# Altium PCB LaserControlBoard (extended).PcbDoc (part 2 of 4)
Units mm, origin at the board's own origin, x right, y up, seen from the top; angles counter-clockwise.
Board outline 192.5 x 156.5 mm, 2 copper layers (Top Layer, Bottom Layer); 385 components, 319 nets, 1286 pads, 1750 vias.
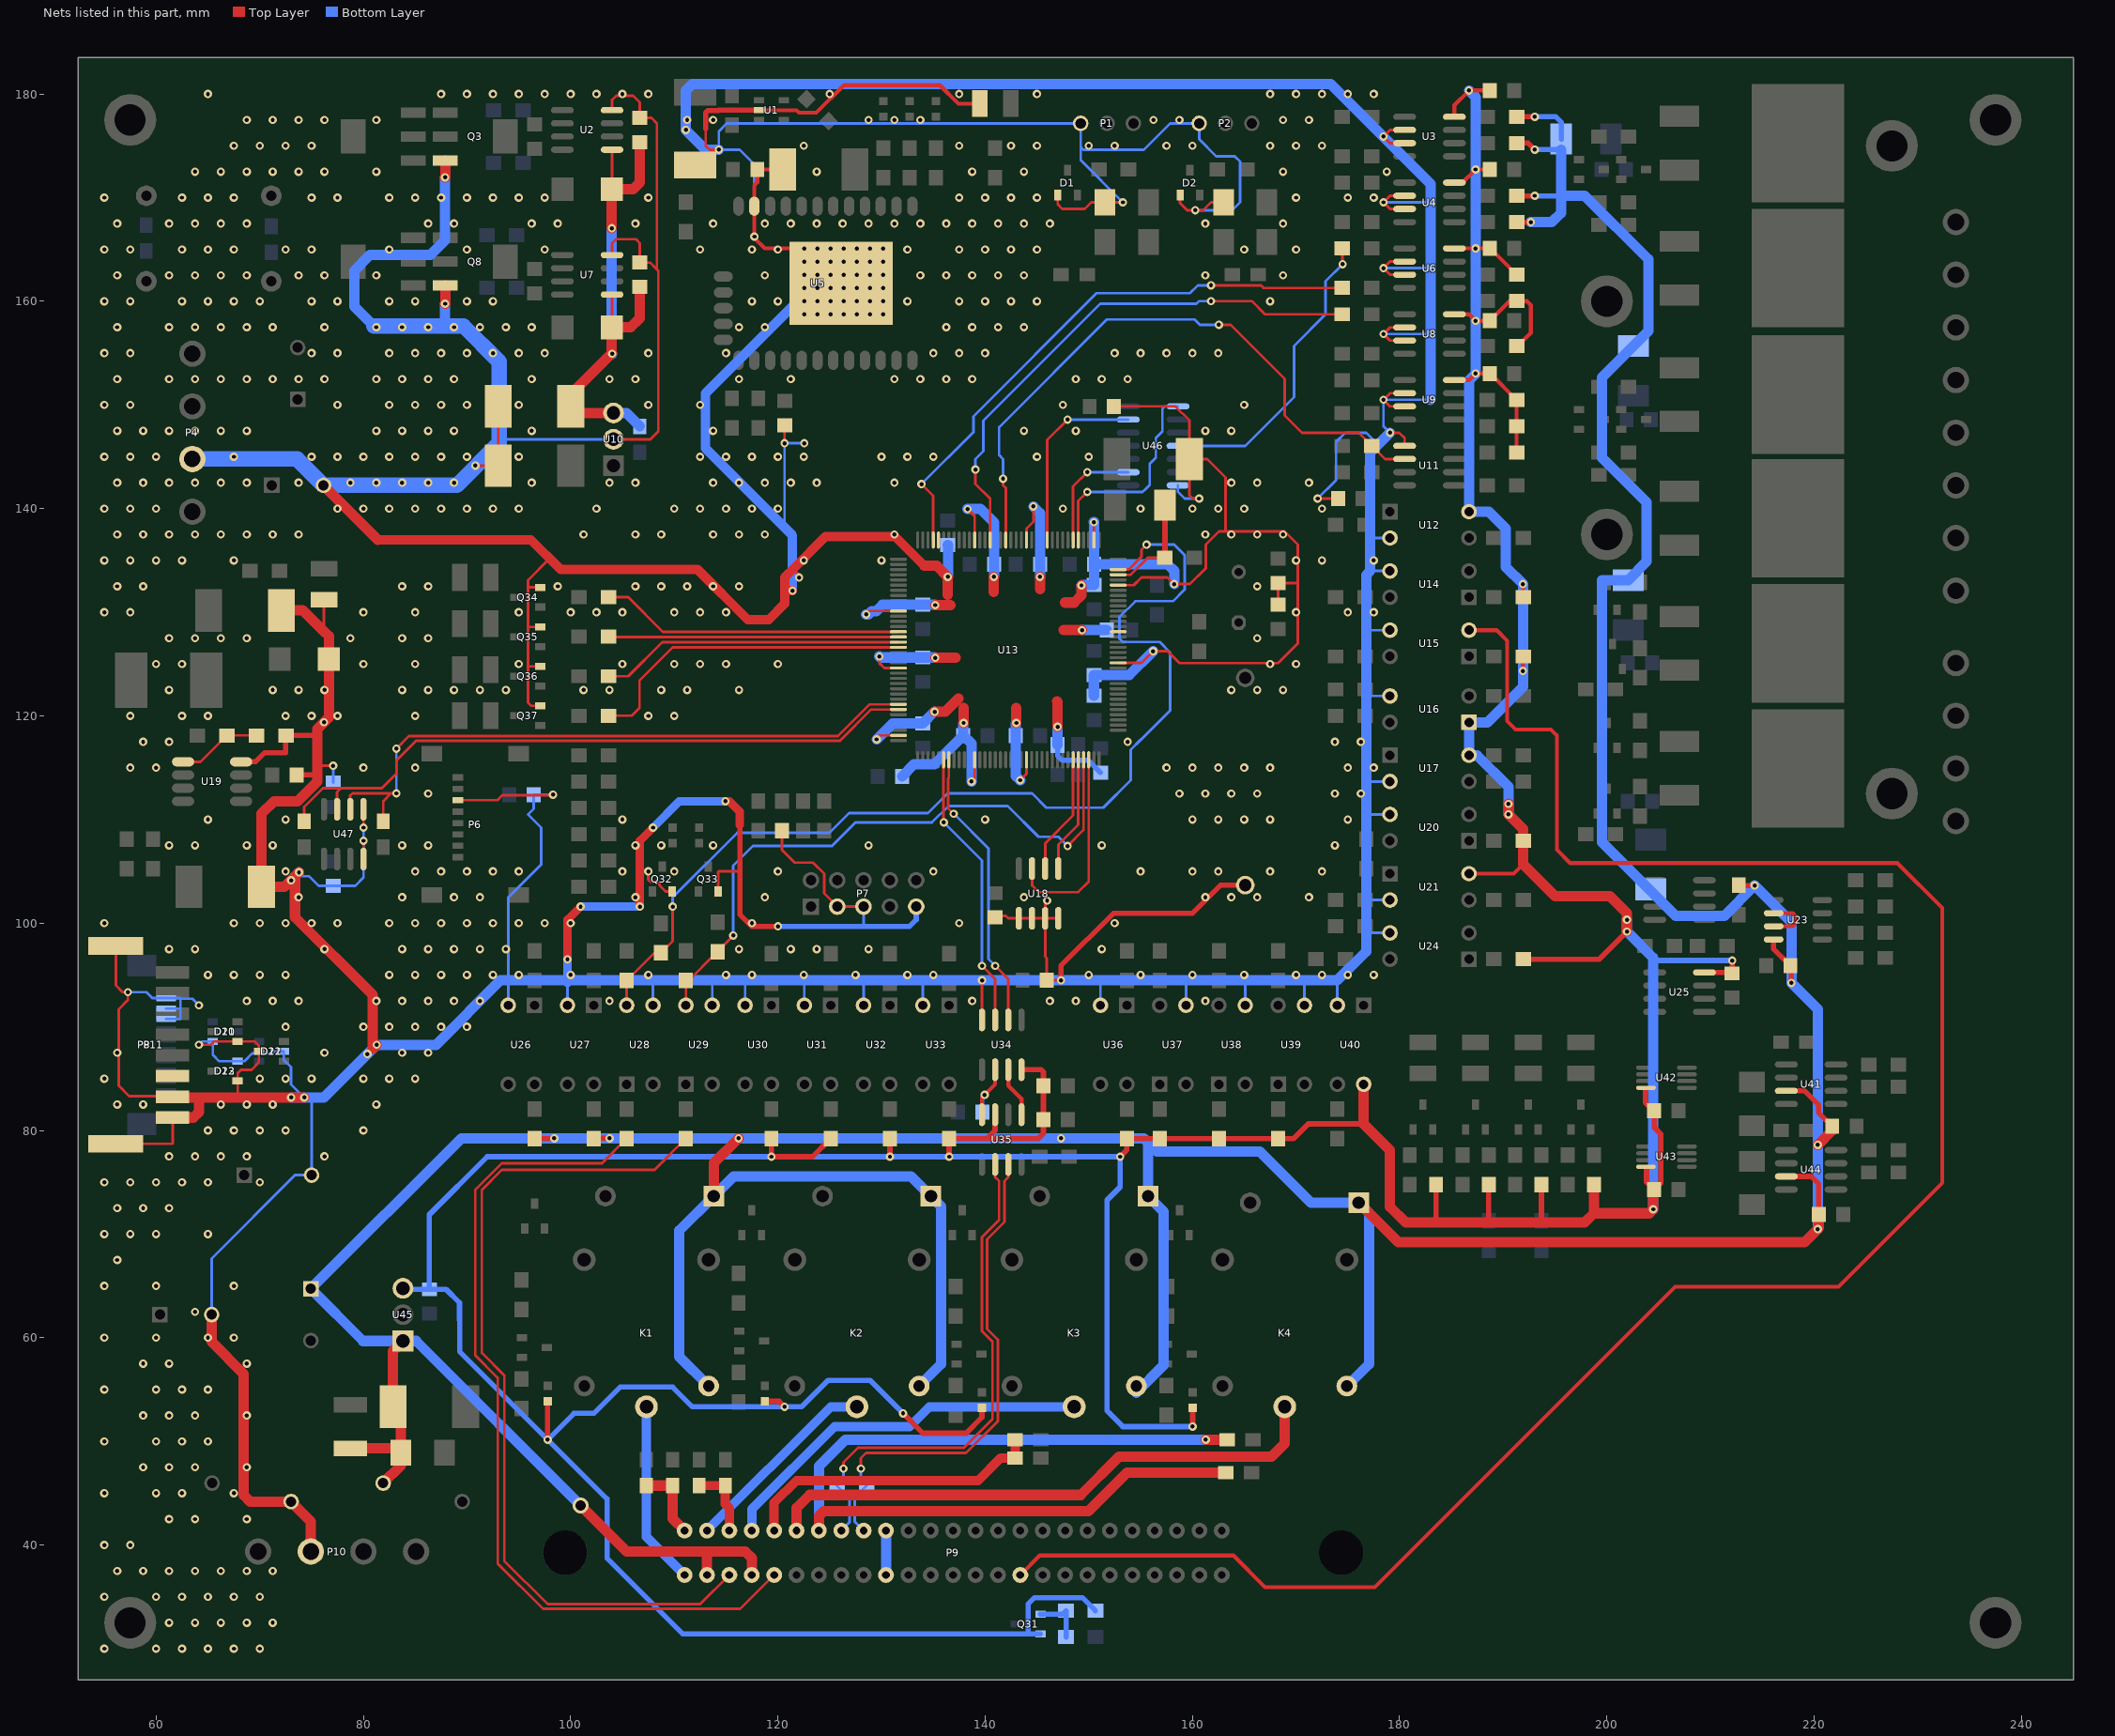
[diagram p2: the nets of this part, all layers, seen from the top]

## Via types
v1: diameter 0.8, hole 0.4, Top Layer to Bottom Layer, tented both sides, 1722 vias
v2: diameter 0.8, hole 0.4, Top Layer to Bottom Layer, 21 vias
v3: diameter 1.5, hole 1, Top Layer to Bottom Layer, 5 vias
v4: diameter 3, hole 2, Top Layer to Bottom Layer, 2 vias

## Nets (pads, with @x,y where several pads share a name; then routed paths per layer and width w, separated by ;. In a path a pad name is that pad's centre, name@x,y a point inside that pad or via, vN(x,y) a via of type N, cw(c..) or ccw(c..) an arc to the next point about the centre after c; other vN are vias at no path point) (continued)
12V: C32.1 C36.2 C38.2 C40.1 C41.1 D15.2 D16.2 D17.2 D18.2 D20.1 F2.1 K1.5 K2.5 K3.5 K4.5 L6.1 L7.2 L8.2 L9.2 P9.27 P9.29 R3.2 R5.2 R14.2 R17.2 R77.1 R106.2 R107.2 RU2.2 U23.8 U41.7 U44.7 U45.1 | length 528.4
  Top Layer w0.5: R106.2@96.519,79.22 98.397,79.22 v1(98.425,79.248) ; R107.2@102.235,79.22 102.263,79.248 v1(103.759,79.248) ; R17.2@191.29,167.64 v1(192.659,167.64) ; R14.2@191.29,170.18 v1(193.04,170.18) ; R5.2@191.29,175.26 192.405,175.26 v1(193.04,174.625) ; R3.2@191.29,177.8 v1(193.04,177.8) ; R77.1@212.725,103.66 212.753,103.632 v1(214.249,103.632) ; U23.8@216.09,98.425 216.09,97.505 C32.1@217.71,95.885 217.805,95.79 v1(217.805,94.234) ; U44.7@217.31,75.565 219.71,75.565 220.44,74.835 C38.2@220.44,72.39 ; U41.7@217.31,83.82 219.075,83.82 220.44,82.455 220.44,81.693 C36.2@221.742,80.391
  Top Layer w1: F2.1@78.74,49.335 83.185,49.335 D20.1@83.625,48.895 ; RU2.2@81.915,45.974 83.625,47.684 D20.1@83.625,48.895 ; U45.1@83.82,59.69 82.86,58.73 C41.1@82.86,53.34 83.625,52.575 D20.1@83.625,48.895 ; v3(100.965,43.815) 105.41,39.37 113.157,39.37 ; P9.27@113.158,37.112 113.158,39.369 113.157,39.37 ; D15.2@113.815,73.66 113.815,76.858 v1(116.205,79.248) ; P9.29@117.478,37.112 117.478,38.732 116.84,39.37 113.157,39.37 ; D18.2@176.045,73.025 179.855,69.215 219.075,69.215 v1(220.345,70.485) 220.44,70.58 C38.2@220.44,71.882 ; v1(220.345,78.613) 221.742,80.01 C36.2@221.742,80.391
  Top Layer w1.5: K4.5@174.91,55.34 K4.5@175.01,55.44
  Bottom Layer w0.5: v1(193.04,170.18) 195.58,170.18 ; v1(193.04,174.625) L6.1@195.58,174.625 ; v1(193.04,177.8) 195.072,177.8 195.588,177.284 L6.1@195.588,175.641
  Bottom Layer w1: v3(100.965,43.815) 85.09,59.69 U45.1@83.82,59.69 79.97,59.69 C40.1@74.93,64.73 89.448,79.248 v1(98.425,79.248) v1(103.759,79.248) v1@115.951,79.248 ; K1.5@113.315,55.34 110.49,58.165 110.49,70.335 D15.2@113.815,73.66 115.72,75.565 132.865,75.565 D16.2@134.77,73.66 135.763,72.667 135.763,57.468 K2.5@133.635,55.34 ; v1@115.974,79.225 v1@115.951,79.248 ; K3.5@154.59,54.705 157.226,57.341 157.226,72.159 D17.2@155.725,73.66 155.725,78.844 ; K4.5@174.91,55.34 177.038,57.468 177.038,72.032 D18.2@176.045,73.025 171.45,73.025 166.497,77.978 156.591,77.978 155.725,78.844 ; v1(192.659,167.64) 194.691,167.64 195.58,168.529 195.58,170.18 ; L6.1@195.58,174.625 195.58,170.18 ; v1(220.345,70.485) v1(220.345,78.613) 220.345,91.694 v1(217.805,94.234) 217.805,100.076 v1(214.249,103.632) 211.328,100.711 206.629,100.711 199.517,107.823 199.517,123.698 199.512,123.703 199.512,133.096 202.049,133.096 203.835,134.882 203.835,140.589 199.512,144.912 199.512,152.641 L7.2@202.565,155.694 204,157.129 204,164.046 197.866,170.18 195.58,170.18 ; v1@115.951,79.248 v1(116.205,79.248) v1(147.32,79.248) 155.321,79.248 155.725,78.844
15V: P9.10 P9.35 | length 4.3
  Bottom Layer w1: P9.35@130.438,37.112 P9.10@130.438,41.402
+12VDC: C3.2 C9.2 C15.1 D3.1 D8.1 J1.1 U2.1 U7.1 U10.3 | length 52.6
  Top Layer w0.254: D8.1@103.975,157.48 104,157.505 U7.1@104,160.655 ; D3.1@103.975,170.815 104,170.84 U2.1@104,174.625
  Top Layer w1: v1(103.975,167.043) D3.1@103.975,170.815 106.045,170.815 106.68,171.45 C3.2@106.68,175.355 ; U10.3@104.14,149.225 100.655,149.225 C15.1@100.02,149.86 100.02,151.023 103.975,154.978 D8.1@103.975,157.48 105.791,157.48 106.68,158.369 C9.2@106.68,161.385
  Bottom Layer w1: v1(103.975,167.043) 103.975,154.978 v1(104.013,154.94) ; U10.3@104.14,149.225 105.39,149.225 J1.1@106.68,147.935
ADC_PRESSURE: U13.22
AREL1: K1.1 P9.26 | length 17.8
  Bottom Layer w0.9: K1.1@107.315,53.34 107.315,40.795 P9.26@110.998,37.112
AREL2: J10.1 J11.1 P9.1 | length 7.4
  Top Layer w1: J10.1@107.315,45.74 J11.1@109.855,45.74 109.855,42.545 P9.1@110.998,41.402
AVCCMCU: L4.2 R40.2 U13.33 | length 10.3
  Top Layer w0.254: U13.33@152.84,133.615 154.062,133.615 155.702,135.255 R40.2@157.325,135.255
  Top Layer w0.524: R40.2@157.325,135.255 157.345,135.275 L4.2@157.345,140.335
BREL1: K2.1 P9.2 | length 19.4
  Top Layer w0.9: P9.2@113.158,41.402 P9.2@113.158,41.402
  Bottom Layer w0.9: P9.2@113.158,41.402 125.096,53.34 K2.1@127.635,53.34
BREL2: J12.1 J13.1 P9.3 | length 7
  Top Layer w0.9: J12.1@112.395,45.74 J13.1@114.935,45.74 114.935,43.942 115.318,43.559 P9.3@115.318,41.402
CAN1_RX: U13.114 U34.3 | length 27.2
  Top Layer w0.254: U13.114@135.99,115.765 135.979,115.754 135.979,109.766 v1(136.017,109.728) ; v1(139.7,95.885) 140.97,94.615 U34.3@140.97,90.665
  Bottom Layer w0.254: v1(136.017,109.728) 139.7,106.045 v1(139.7,95.885)
CAN1_TX: U13.115 U34.2 | length 27.5
  Top Layer w0.254: U13.115@136.49,115.765 136.49,114.023 136.433,113.966 136.433,111.09 v1(136.963,110.56) ; v1(140.97,95.885) 142.24,94.615 U34.2@142.24,90.665
  Bottom Layer w0.254: v1(136.963,110.56) 140.322,107.201 140.322,96.533 v1(140.97,95.885)
CAN_N: P9.8 R51.1 U35.6 | length 49.6
  Top Layer w0.254: v1(126.327,47.371) 126.327,47.968 127.747,49.388 137.951,49.388 140.716,52.153 140.716,59.607 139.678,60.644 139.678,69.701 141.351,71.374 141.351,75.113 140.97,75.494 U35.6@140.97,76.721
  Bottom Layer w0.254: P9.8@126.118,41.402 126.917,42.201 126.917,44.505 R51.1@125.702,45.72 126.327,46.345 v1(126.327,47.371)
CAN_P: P9.9 R51.2 U35.7 | length 48.8
  Top Layer w0.254: v1(128.016,47.371) 128.016,48.387 128.509,48.88 138.161,48.88 141.224,51.943 141.224,59.817 140.186,60.855 140.186,69.491 141.859,71.164 141.859,75.113 142.24,75.494 U35.7@142.24,76.721
  Bottom Layer w0.254: v1(128.016,47.371) 128.016,46.256 R51.2@128.552,45.72 127.425,44.593 127.425,42.255 P9.9@128.278,41.402
CAN_RX: C30.1 U34.6 U35.4 | length 6.6
  Top Layer w0.384: U35.4@139.7,81.521 139.7,83.185 v1(139.954,83.439) 140.97,84.455 U34.6@140.97,85.865
  Bottom Layer w0.384: C30.1@139.732,81.788 139.732,83.217 v1(139.954,83.439)
CAN_TX: U34.7 U35.1 | length 4.9
  Top Layer w0.384: U34.7@142.24,85.865 142.24,84.328 143.51,83.058 U35.1@143.51,81.521
CH_LASER_AIN: U23.6 U23.7 | length 5.2
  Top Layer w0.384: U23.7@216.09,99.695 217.932,99.695 218.186,99.949 218.186,100.711 217.932,100.965 U23.6@216.09,100.965
CH_NERR: P9.41 U15.2 | length 201.4
  Top Layer w0.384: P9.41@143.398,37.112 145.275,38.989 163.957,38.989 167.005,35.941 177.611,35.941 206.593,64.923 222.341,64.923 231.038,73.62 232.359,74.942 232.359,101.468 228.036,105.791 196.486,105.791 196.469,105.791 195.174,107.086 195.174,118.11 194.59,118.694 191.186,118.694 190.373,119.507 190.373,127.254 189.357,128.27 U15.2@186.69,128.27
CH_PULSE: Q31.1 R156.1 R157.2 | length 5.1
  Bottom Layer w0.5: Q31.1@145.345,33.335 147.48,33.335 R156.1@147.8,33.655 R157.2@147.8,31.115
COOL_PWM: U13.47 U46.13 | length 18.3
  Top Layer w0.254: U13.47@145.99,136.965 145.99,142.935 145.99,146.625 v1(147.955,148.59)
  Bottom Layer w0.254: v1(147.955,148.59) U46.13@153.81,148.59
CREL1: K3.1 P9.4 | length 37.2
  Bottom Layer w0.9: P9.4@117.478,41.402 117.478,43.437 125.476,51.435 132.715,51.435 134.62,53.34 K3.1@148.59,53.34
CREL2: J14.1 J15.1 P9.5 | length 29.5
  Top Layer w0.9: P9.5@119.638,41.402 119.638,44.073 121.793,46.228 139.319,46.228 141.478,48.387 J15.1@142.895,48.387 J14.1@142.895,50.165
DAC_CS: R23.2 U13.58 | length 52.4
  Top Layer w0.254: v1(139.065,143.764) 139.065,142.367 140.49,140.942 U13.58@140.49,136.965 ; v1(161.798,160.02) 165.735,160.02 167.005,158.75 R23.2@174.47,158.75
  Bottom Layer w0.254: v1(139.065,143.764) 139.065,144.78 139.827,145.542 139.827,148.499 151.094,159.766 160.401,159.766 160.655,160.02 v1(161.798,160.02)
DAC_MOSI: R19.2 U46.4 | length 29.4
  Top Layer w0.254: R19.2@174.47,165.1 174.47,163.604 v1(174.498,163.576)
  Bottom Layer w0.254: U46.4@158.61,146.05 165.1,146.05 169.799,150.749 169.799,155.702 172.847,158.75 172.847,161.925 v1(174.498,163.576)
DAC_SCK: R21.2 U13.69 | length 55.4
  Top Layer w0.254: v1(133.858,142.367) 134.99,141.235 U13.69@134.99,136.965 ; v1(161.798,161.544) 166.624,161.544 166.878,161.29 R21.2@174.47,161.29
  Bottom Layer w0.254: v1(133.858,142.367) 138.865,147.374 138.865,148.898 150.749,160.782 159.759,160.782 160.521,161.544 v1(161.798,161.544)
DREL1: K4.1 P9.6 | length 55.4
  Top Layer w1: P9.6@121.798,41.402 121.798,43.566 123.063,44.831 149.225,44.831 152.908,48.514 167.64,48.514 168.91,49.784 K4.1@168.91,53.34
DREL2: J16.1 J17.1 P9.7 | length 89.1
  Top Layer w1: P9.7@123.958,41.402 123.958,42.805 124.439,43.286 149.966,43.286 153.67,46.99 J17.1@163.215,46.99 ; v1(161.29,50.165) J16.1@163.342,50.165
  Bottom Layer w1: P9.7@123.958,41.402 123.958,47.631 126.492,50.165 v1(161.29,50.165)
DWIN_BUSY: P8.6
DWIN_RX: J5.1 U13.102 U47.7 | length 65.6
  Top Layer w0.254: J5.1@74.295,109.835 74.295,111.225 76.1,113.03 77.851,113.03 ; U47.7@77.47,110.985 77.47,112.649 77.851,113.03 ; U13.102@131.64,120.615 129.004,120.615 125.991,117.602 85.09,117.602 83.185,115.697 83.185,114.427 81.788,113.03 77.851,113.03
DWIN_TX: J4.1 U13.101 U47.6 | length 63.4
  Top Layer w0.254: U47.6@78.74,110.985 78.74,112.322 78.94,112.522 82.677,112.522 ; J4.1@81.915,109.835 81.915,111.76 82.677,112.522 ; v2(83.185,112.522) 82.677,112.522 ; v2(83.185,116.84) 84.401,118.056 125.803,118.056 128.862,121.115 U13.101@131.64,121.115
  Bottom Layer w0.254: v2(83.185,112.522) v2(83.185,116.84)
EEPROM_NWC: U13.142 U18.7 | length 19.5
  Top Layer w0.254: U18.7@144.526,105.27 144.526,103.632 145.161,102.997 148.971,102.997 149.99,104.016 U13.142@149.99,115.765
FAN_PWM1: U13.42 U46.9 | length 11.1
  Top Layer w0.254: U13.42@148.49,136.965 148.49,142.14 v1(149.86,143.51)
  Bottom Layer w0.254: v1(149.86,143.51) U46.9@153.81,143.51
FAN_PWM2: U13.41 U46.1 | length 20.7
  Top Layer w0.254: U13.41@148.99,136.965 148.99,140.735 v1(149.86,141.605)
  Bottom Layer w0.254: v1(149.86,141.605) 155.194,141.605 155.375,141.786 155.382,141.786 155.883,142.287 155.883,144.312 156.475,144.903 156.475,146.801 157.099,147.426 157.099,149.606 157.353,149.86 U46.1@158.61,149.86
FEEDBACK: R55.2 R56.1 U19.5 | length 8.1
  Top Layer w0.254: U19.5@62.605,115.57 64.29,115.57 R55.2@66.83,118.11 R56.1@69.695,118.11
FLOW1: R79.1 R89.1 U13.34 U28.4 | length 103
  Top Layer w0.254: U28.4@105.409,92.075 R89.1@105.409,94.46 108.076,97.127 R79.1@108.712,97.127 109.855,98.27 v1(109.855,101.6) ; U13.34@152.84,134.115 152.863,134.138 153.855,134.138 155.086,135.369 155.086,136.036 v1(155.575,136.525)
  Bottom Layer w0.254: v1(109.855,101.6) 109.855,102.489 116.078,108.712 124.968,108.712 126.87,110.614 134.483,110.614 136.391,112.522 144.526,112.522 145.904,111.144 151.396,111.144 154.051,113.799 154.051,114.514 154.048,114.517 154.048,116.736 155.025,117.713 155.051,117.713 157.861,120.523 157.861,126.111 156.845,127.127 153.289,127.127 152.971,127.444 152.971,129.54 154.495,131.064 158.115,131.064 159.258,132.207 159.258,135.509 158.242,136.525 v1(155.575,136.525)
FLOW2: R80.1 R90.1 U13.141 U29.4 | length 60.6
  Top Layer w0.254: U29.4@111.125,92.075 111.125,94.234 111.153,94.234 R80.1@114.173,97.254 115.697,98.778 v1(115.697,98.806) ; v1(147.955,107.442) 149.49,108.977 U13.141@149.49,115.765
  Bottom Layer w0.254: v1(115.697,98.806) 115.697,105.537 117.602,107.442 125.222,107.442 127.486,109.706 134.859,109.706 136.459,111.306 142.179,111.306 145.154,108.331 147.066,108.331 v1(147.955,107.442)
FLOW_SEN1: P9.30 R108.2 | length 83.5
  Top Layer w0.254: R108.2@105.409,79.22 103.024,76.835 93.359,76.835 90.805,74.281 90.805,58.284 92.964,56.125 92.964,38.218 97.346,33.836 116.362,33.836 P9.30@119.638,37.112
FLOW_SEN2: P9.28 R109.2 | length 83
  Top Layer w0.254: R109.2@111.125,79.22 108.105,76.2 93.366,76.2 91.44,74.274 91.44,58.547 93.599,56.388 93.599,38.481 97.79,34.29 112.496,34.29 P9.28@115.318,37.112
FOOTSW1: R32.1 U11.6 U13.55 | length 62.2
  Top Layer w0.254: v1(141.732,142.875) 141.732,142.244 141.99,141.986 U13.55@141.99,136.965 ; v1(162.56,157.734) 163.703,157.734 168.91,152.527 168.91,148.99 170.58,147.32 176.05,147.32 R32.1@177.32,146.05 178.59,144.78 U11.6@180.48,144.78
  Bottom Layer w0.254: v1(141.732,142.875) 141.732,144.78 141.351,145.161 141.351,147.868 151.725,158.242 160.22,158.242 160.728,157.734 v1(162.56,157.734)
FOOTSW2: U13.68
GND: "STM PWR 1.1" "WIFI PWR 1.1" C2.2 C3.1 C5.2 C6.1 C9.1 C12.1 C13.1 C15.2 C16.1 C17.1 C18.2 C19.2 C20.2 C21.1 C22.2 C23.1 C24.1 C25.1 C26.1 C27.2 C28.2 C34.2 C39.2 C44.1 C45.2 C46.2 C47.2 C48.2 C49.2 C50.2 C51.2 C52.1 C54.2 C55.2 C56.2 C57.2 C58.2 C59.1 C60.2 D1.1 D2.1 D4.2 D5.2 D9.1 D10.1 D11.3 D12.1 D21.1 D22.3 D23.1 P1.3 P2.3 P4.3 P6.3 P7.3 P7.5 P7.9 P8.7 P8.8 P8.9 P8.10 P10.2 P11.8 P11.9 P11.10 P12.1 Q3.3 Q8.3 Q32.2 Q33.2 Q34.2 Q35.2 Q36.2 Q37.2 R56.2 R64.1 R153.1 RU1.1 U1.2 U2.4 U3.2 U3.3 U4.2 U4.3 U5.23 U5.25 U6.2 U6.3 U7.4 U8.2 U8.3 U9.2 U9.3 U10.2 U11.5 U12.2 U13.16 U13.31 U13.38 U13.51 U13.61 U13.83 U13.94 U13.107 U13.120 U13.130 U14.3 U15.3 U16.3 U17.2 U18.1 U18.2 U18.3 U18.4 U19.4 U20.3 U21.2 U24.3 U26.2 U27.2 U28.3 U29.3 U30.2 U31.2 U32.2 U33.2 U34.4 U36.2 U37.3 U38.3 U39.3 U40.2 U46.7 U47.4 U47.5 | length 1424.5
  Top Layer w0.254: P8.10@56.115,78.715 61.57,78.715 61.595,78.74 P8.8@61.595,81.25 ; P8.9@56.115,97.815 56.115,93.999 56.769,93.345 v1(57.277,93.345) 57.277,92.582 56.388,91.693 56.388,84.333 57.409,83.312 61.533,83.312 P8.7@61.595,83.25 ; v1(64.135,88.265) 65.278,88.265 65.598,88.585 D10.1@67.875,88.585 69.53,88.585 69.92,88.195 D11.3@69.92,87.63 69.92,86.557 69.215,85.852 68.199,85.852 67.875,85.528 D12.1@67.875,84.775 67.875,83.242 67.818,83.185 ; v1(64.135,92.075) v1@64.377,92.075 ; R56.2@72.517,118.082 R56.2@72.545,118.11 ; 75.565,115.189 v1(77.089,115.189) ; 76.073,128.27 76.073,128.397 76.2,128.524 76.2,131.215 ; U47.4@80.01,106.185 v2(80.01,107.95) ; v2(80.01,109.22) U47.5@80.01,110.985 ; P6.3@89.126,111.862 92.932,111.862 93.411,112.341 98.371,112.341 98.317,112.395 v1(98.298,112.395) ; v1(90.805,144.145) C20.2@93.02,144.145 C15.2@93.02,149.86 ; Q37.2@97.085,120.965 96.205,120.965 95.885,121.285 95.885,124.841 ; Q36.2@97.085,124.775 95.951,124.775 95.885,124.841 ; Q35.2@97.085,128.585 95.946,128.585 95.885,128.524 ; Q34.2@97.085,132.395 95.951,132.395 95.885,132.461 ; 97.98,135.191 95.885,133.096 95.885,132.461 ; U7.4@104,164.465 104,165.595 104.394,165.989 106.299,165.989 106.68,165.608 C9.1@106.68,163.735 107.664,163.735 108.331,163.068 ; U2.4@104,178.435 104,179.438 104.394,179.832 106.045,179.832 106.68,179.197 C3.1@106.68,177.705 107.791,177.705 108.331,177.165 108.331,163.068 ; U10.2@104.14,146.685 107.696,146.685 108.458,147.447 108.458,162.941 108.331,163.068 ; 106.68,105.029 106.709,105 v1(107.5,105) 107.5,104.209 107.696,104.013 108.363,104.013 108.566,103.81 108.566,103.651 109.15,103.067 Q32.2@109.789,103.067 ; 113.03,176.66 113.03,175.006 113.411,174.625 v1(114.3,174.625) ; Q33.2@114.234,103.067 114.234,104.963 114.271,105 116.303,105 116.303,104.931 ; R64.1@120.396,108.43 120.396,107.061 121.612,105.845 123.383,105.845 124.46,104.768 124.46,102.87 P7.3@125.73,101.6 P7.5@128.27,101.6 ; v1(120.65,146.304) C16.1@120.65,148.05 ; 121.666,134.366 121.666,133.985 122.047,133.604 v1(122.047,133.35) ; v1(128.524,129.794) 128.845,130.115 U13.83@131.64,130.115 ; v1(129.54,117.729) 129.54,117.856 129.799,118.115 U13.107@131.64,118.115 ; v1(129.794,125.73) 129.794,125.095 130.274,124.615 U13.94@131.64,124.615 ; v1(138.303,139.954) 138.99,139.267 U13.61@138.99,136.965 U13.61@138.967,136.942 ; v1(138.684,113.665) 138.99,113.971 U13.120@138.99,115.765 ; U34.4@139.7,90.665 v1(139.7,94.488) ; C12.1@140.97,100.552 141.129,100.711 141.986,100.711 142.227,100.47 U18.1@143.256,100.47 U18.2@144.526,100.47 U18.3@145.796,100.47 ; v1(143.383,113.792) 143.99,114.399 U13.130@143.99,115.765 ; U13.51@143.99,136.965 143.99,138.065 144.668,138.743 144.668,140.193 v1(144.653,140.208) ; v1(145.987,102.171) 145.796,101.981 U18.3@145.796,100.47 ; D1.1@147.005,170.25 147.005,169.352 147.447,168.91 149.606,168.91 150.241,169.545 D4.2@151.57,169.545 v1(153.289,169.545) ; U18.4@147.066,100.47 U18.3@145.796,100.47 ; v1(147.32,94.488) C27.2@145.955,94.488 145.955,96.615 145.796,96.774 U18.3@145.796,100.47 ; U13.38@150.49,136.965 150.49,138.679 v1(150.495,138.684) ; C17.1@152.432,149.86 158.369,149.86 159.71,148.519 C19.2@159.71,144.78 ; U13.16@152.84,125.115 155.087,125.115 v1(156.21,126.238) 157.607,126.238 158.75,125.095 168.275,125.095 170.18,127 170.18,132.715 ; U13.31@152.84,132.615 154.346,132.615 155.096,133.365 157.592,133.365 v1(158.242,132.715) 159.766,132.715 161.29,134.239 161.29,136.525 162.56,137.795 163.195,137.795 ; D2.1@158.816,170.25 158.816,169.479 159.512,168.783 v1(160.274,168.783) 161.036,168.783 161.798,169.545 D5.2@163,169.545 ; v1(160.655,140.97) 160.02,140.97 159.71,141.28 C19.2@159.71,144.78 ; C24.1@168.275,130.715 C23.1@168.275,132.81 170.085,132.81 170.18,132.715 ; v1(172.085,140.97) C21.1@174.085,140.97 ; v1(179.07,147.32) 179.959,147.32 180.48,146.799 U11.5@180.48,146.05 ; U9.3@180.48,149.86 179.07,149.86 v1(178.435,150.495) 179.07,151.13 U9.2@180.48,151.13 ; U8.3@180.48,156.21 179.07,156.21 v1(178.435,156.845) 179.07,157.48 U8.2@180.48,157.48 ; U6.3@180.48,162.56 179.07,162.56 v1(178.435,163.195) 179.07,163.83 U6.2@180.48,163.83 ; U4.3@180.48,168.91 179.07,168.91 v1(178.435,169.545) 179.07,170.18 U4.2@180.48,170.18 ; U3.3@180.48,175.26 179.07,175.26 v1(178.435,175.895) 179.07,176.53 U3.2@180.48,176.53 ; 95.885,124.841 95.885,128.524 ; 95.885,128.524 95.885,132.461 ; C19.2@159.71,144.78 161.417,144.78 163.195,143.002 163.195,137.795 ; 163.195,137.795 168.91,137.795 170.18,136.525 170.18,132.715
  Top Layer w0.381: U1.2@118.18,178.435 121.798,178.435 122.047,178.186 123.703,178.186 126.365,180.848 135.636,180.848 137.414,179.07 139.47,179.07 ; C5.2@120.78,172.72 C6.1@118.015,172.72 118.015,171.482 117.729,171.196 U5.23@117.729,169.175 v1(117.729,166.243) 117.729,166.116 118.745,165.1 122.745,165.1 U5.25@126.105,161.74
  Top Layer w0.5: U19.4@68.205,115.57 69.596,115.57 70.485,116.459 72.517,116.459 R56.2@72.517,118.082 ; R56.2@72.545,118.11 75.565,118.11 ; C26.1@73.565,114.3 75.565,114.3 ; 113.03,176.66 113.03,178.181 113.256,178.407 114.25,178.407 114.278,178.435 U1.2@118.18,178.435 ; 116.332,109.474 116.332,100.838 117.475,99.695 v1(120.015,99.695) ; v1(147.32,94.488) 147.32,95.885 152.4,100.965 160.02,100.965 162.72,103.665 P12.1@165.1,103.665
  Top Layer w0.8: v1(99.695,96.52) 99.695,100.33 v1(100.965,101.6) ; v1(106.68,101.6) 106.68,105.029 106.68,107.95 v1(107.95,109.22) ; v1(114.935,111.76) 115.316,111.76 116.332,110.744 116.332,109.474
  Top Layer w0.9: 81.407,136.993 96.179,136.993 99.06,134.112 112.268,134.112 117.094,129.286 119.126,129.286 120.65,130.81 120.65,132.08 ; v1(121.412,132.08) 120.65,132.08 ; 134.112,134.493 131.318,137.287 124.587,137.287 121.666,134.366 120.65,133.35 120.65,132.08
  Top Layer w1: P8.8@61.595,81.25 63.597,81.25 64.135,81.788 64.135,83.185 ; P8.7@61.595,83.25 61.66,83.185 64.135,83.185 ; C39.2@65.365,62.23 65.365,59.603 68.453,56.515 68.453,44.831 69.088,44.196 RU1.1@73.025,44.196 74.93,42.291 P10.2@74.93,39.37 ; C22.2@72.08,130.175 74.168,130.175 76.073,128.27 76.67,127.673 76.67,119.85 v1(76.2,119.38) 75.565,118.745 75.565,118.11 75.565,115.189 75.565,114.3 75.565,113.665 73.66,111.76 71.374,111.76 70.175,110.561 C28.2@70.175,103.505 72.39,103.505 v1(73.025,104.14) v1(73.787,104.902) ; 73.406,104.521 73.406,100.584 80.899,93.091 80.899,87.884 v1(81.28,88.265) ; v1(74.295,83.185) v1(73.025,83.185) 67.818,83.185 64.135,83.185 ; C18.2@76.16,142.24 81.407,136.993 ; v1(87.884,159.766) 87.905,159.787 Q8.3@87.905,161.53 ; v1(87.884,171.958) 87.905,171.979 Q3.3@87.905,173.595 ; 134.112,134.493 135.32,134.493 v1(136.398,133.415) 136.398,131.699 ; v1(135.128,120.396) 136.144,120.396 137.414,121.666 ; v1(135.19,125.603) 137.16,125.603 ; v1(135.19,130.683) 136.652,130.683 ; v1(137.922,119.315) 137.922,120.777 ; 140.843,131.953 v1(140.843,133.415) ; v1(143.002,119.315) 143.002,120.777 ; 145.288,132.207 v1(145.288,133.415) ; 146.939,121.412 146.99,121.361 v1(146.99,118.948) ; 147.574,128.27 v1(149.352,128.27) ; 147.701,130.937 148.59,130.937 149.29,131.637 v1(149.29,132.588)
  Bottom Layer w0.254: v1(57.277,93.345) 59.055,93.345 59.635,92.765 P11.10@60.96,92.765 62.302,92.765 62.357,92.71 ; P11.8@60.96,90.765 62.317,90.765 62.357,90.805 62.357,91.765 ; P11.9@60.96,91.765 62.357,91.765 ; v1(64.135,88.265) 64.455,88.585 D21.1@65.475,88.585 65.475,87.306 66.106,86.675 D23.1@67.875,86.675 68.514,86.675 69.269,87.43 71.174,87.43 71.374,87.63 D22.3@72.32,87.63 72.32,86.811 73.025,86.106 73.025,84.455 v1(74.295,83.185) ; v1(64.135,92.075) 63.5,92.71 62.357,92.71 ; C39.2@65.365,62.23 65.365,67.651 73.406,75.692 C34.2@75.005,75.692 75.005,83.11 74.93,83.185 ; 73.406,104.521 74.771,104.521 75.692,103.6 C25.1@77.089,103.6 79.216,103.6 80.01,104.394 v2(80.01,107.95) v2(80.01,109.22) ; C13.1@77.089,113.57 v1(77.089,115.189) ; 93.091,146.304 93.472,146.685 U10.2@104.14,146.685 ; U26.2@93.979,92.075 93.979,94.487 93.979,102.488 97.155,105.664 97.155,109.22 95.885,110.49 96.425,111.03 C60.2@96.425,112.395 v1(98.298,112.395) ; U27.2@99.695,92.075 99.695,94.234 ; U28.3@107.949,92.075 107.949,94.487 ; U29.3@113.665,92.075 113.665,94.488 ; U30.2@116.839,92.075 116.839,94.487 ; v1(117.729,166.243) 117.729,173.228 116.332,174.625 v1(114.3,174.625) 114.3,176.403 115.062,177.165 P1.3@149.225,177.165 149.225,174.879 ; 120.65,138.303 v1(120.65,146.304) v1(122.555,146.304) ; U31.2@122.554,92.075 122.554,94.487 ; U32.2@128.269,92.075 128.27,94.488 ; P7.5@128.27,101.6 128.27,99.822 128.397,99.695 ; U33.2@133.984,92.075 133.984,94.487 ; U36.2@151.13,92.075 151.13,94.361 151.257,94.488 ; v1(153.289,169.545) 149.225,173.609 149.225,174.879 ; U46.7@158.61,142.24 158.61,141.618 159.258,140.97 v1(160.655,140.97) ; U37.3@159.385,92.075 159.385,94.488 ; v1(160.274,168.783) 163.83,168.783 164.592,169.545 164.592,173.482 164.084,173.99 162.306,173.99 160.655,175.641 P2.3@160.655,177.165 157.861,177.165 155.321,174.625 149.479,174.625 149.225,174.879 ; U38.3@165.1,92.075 165.1,94.488 ; U39.3@170.815,92.075 170.815,94.361 170.942,94.488 ; v1(172.085,140.97) 173.863,142.748 173.863,146.431 174.752,147.32 176.784,147.32 177.927,146.177 ; U40.2@173.99,92.075 173.99,94.488 ; 176.784,99.06 U24.3@179.07,99.06 ; 176.784,102.235 U21.2@179.07,102.235 ; 176.784,110.49 U20.3@179.07,110.49 ; 176.784,113.665 U17.2@179.07,113.665 ; 176.784,122.047 176.911,121.92 U16.3@179.07,121.92 ; 176.784,128.27 U15.3@179.07,128.27 ; 177.165,133.985 U14.3@179.07,133.985 ; 177.165,137.16 U12.2@179.07,137.16 ; v1(178.435,156.845) 183.007,156.845 ; v1(178.435,163.195) 183.007,163.195 ; v1(178.435,169.545) 183.007,169.545 ; v1(179.07,147.32) 178.435,147.955 v1(178.435,150.495) 183.007,150.495 ; 62.357,91.765 62.357,92.71
  Bottom Layer w0.5: v1(120.015,99.695) 128.397,99.695 132.715,99.695 133.35,100.33 P7.9@133.35,101.6 ; R153.1@146.99,117.19 146.99,116.154 147.447,115.697 149.955,115.697 C58.2@151.13,114.522
  Bottom Layer w0.8: 99.695,94.234 99.695,94.488 v1(99.695,96.52) ; v1(100.965,101.6) v1(106.68,101.6) ; v1(107.95,109.22) 110.49,111.76 v1(114.935,111.76)
  Bottom Layer w0.9: v1(121.412,132.08) 121.412,137.414 113.03,145.796 113.03,151.13 122.555,160.655 124.333,160.655
  Bottom Layer w1: v1(73.025,83.185) v1(74.295,83.185) 74.93,83.185 76.2,83.185 v1(80.391,87.376) v1(81.28,88.265) 86.995,88.265 93.217,94.487 93.979,94.487 ; 73.406,104.521 v1(73.787,104.902) ; v1@81.026,157.607 79.121,159.512 79.121,162.941 80.645,164.465 86.487,164.465 87.884,165.862 v1(87.884,171.958) ; 87.884,158.329 v1(87.884,159.766) ; 93.98,94.488 99.695,94.488 107.95,94.488 113.665,94.488 116.84,94.488 122.555,94.488 128.27,94.488 133.985,94.488 v1(139.7,94.488) v1(147.32,94.488) 151.257,94.488 159.385,94.488 165.1,94.488 170.942,94.488 173.99,94.488 176.784,97.282 176.784,99.06 176.784,102.235 176.784,110.49 176.784,113.665 176.784,122.047 176.784,128.27 176.784,133.604 177.165,133.985 177.165,137.16 177.165,145.415 v1(179.07,147.32) ; v1(114.3,174.625) 113.03,174.625 v1(111.125,176.53) 111.125,180.34 111.76,180.975 173.355,180.975 v1(178.435,175.895) 183.007,171.323 183.007,169.545 183.007,163.195 183.007,156.845 183.007,150.495 ; v1(128.524,129.794) 128.732,129.794 129.043,130.105 129.501,130.105 130.111,130.715 C49.2@133.985,130.715 135.158,130.715 v1(135.19,130.683) ; v1(129.54,117.729) 131.096,119.285 C55.2@133.985,119.285 135.096,120.396 v1(135.128,120.396) ; v1(129.794,125.73) 129.889,125.635 C52.1@133.985,125.635 135.158,125.635 v1(135.19,125.603) ; C59.1@131.985,114.173 133.128,115.316 135.096,115.316 C57.2@137.89,118.11 ; v1(136.398,133.415) 136.43,133.447 136.43,136.461 C44.1@136.398,136.493 ; v1(137.922,119.315) 137.89,119.283 C57.2@137.89,118.11 ; v1(138.303,139.954) 139.573,139.954 140.875,138.652 C47.2@140.875,134.62 140.875,133.447 v1(140.843,133.415) ; v1(138.684,113.665) 138.684,117.316 C57.2@137.89,118.11 ; v1(143.002,119.315) 142.97,119.283 C56.2@142.97,118.11 142.97,114.205 v1(143.383,113.792) ; v1(144.653,140.208) 145.32,139.541 C46.2@145.32,134.62 ; v1(145.288,133.415) C46.2@145.288,134.62 ; R153.1@146.99,117.19 v1(146.99,118.948) ; v1(149.29,132.588) 149.322,132.62 C48.2@150.495,132.62 150.527,132.652 C45.2@150.527,134.62 ; v1(149.352,128.27) C50.2@151.733,128.27 ; C54.2@150.495,121.952 C51.2@150.495,123.92 153.892,123.92 v1(156.21,126.238) ; v1(150.495,138.684) 150.527,138.652 C45.2@150.527,134.62 ; v1(158.242,132.715) 158.242,133.985 157.607,134.62 C45.2@150.527,134.62
  Bottom Layer w1.5: P4.3@63.5,144.78 73.62,144.78 C18.2@76.16,142.24 89.027,142.24 93.091,146.304 93.091,154.178 89.662,157.607 v1@81.026,157.607
  other v1: 55,30 60,30 62.5,30 65,30 67.5,30 70,30 61.25,32.5 63.75,32.5 66.25,32.5 68.75,32.5 71.25,32.5 55,35 60,35 62.5,35 65,35 67.5,35 70,35 56.25,37.5 58.75,37.5 61.25,37.5 63.75,37.5 66.25,37.5 68.75,37.5 71.25,37.5 55,40 57.5,40 61.25,42.5 63.75,42.5 68.75,42.5 55,45 60,45 62.5,45 67.5,45 58.75,47.5 61.25,47.5 63.75,47.5 68.75,47.5 55,50 60,50 62.5,50 65,50 58.75,52.5 61.25,52.5 63.75,52.5 68.75,52.5 55,55 60,55 62.5,55 65,55 58.75,57.5 61.25,57.5 68.75,57.5 55,60 60,60 65,60 67.5,60 63.75,62.5 55,65 60,65 67.5,65 56.25,67.5 55,70 57.5,70 60,70 65,70 56.25,72.5 58.75,72.5 61.25,72.5 55,75 57.5,75 60,75 62.5,75 65,75 70,75 61.25,77.5 63.75,77.5 66.25,77.5 68.75,77.5 76.25,77.5 65,80 67.5,80 70,80 72.5,80 80,80 56.25,82.5 58.75,82.5 66.25,82.5 68.75,82.5 71.25,82.5 81.25,82.5 55,85 70,85 72.5,85 75,85 80,85 82.5,85 85,85 56.25,87.5 76.25,87.5 83.75,87.5 86.25,87.5 72.5,90 80,90 82.5,90 85,90 87.5,90 90,90 68.75,92.5 71.25,92.5 73.75,92.5 81.25,92.5 83.75,92.5 86.25,92.5 88.75,92.5 91.25,92.5 103.75,92.5 138.75,92.5 146.25,92.5 148.75,92.5 161.25,92.5 65,95 67.5,95 70,95 72.5,95 82.5,95 85,95 87.5,95 90,95 92.5,95 95,95 100,95 107.5,95 115,95 117.5,95 122.5,95 127.5,95 132.5,95 135,95 150,95 155,95 160,95 165,95 170,95 172.5,95 175,95 177.5,95 61.25,97.5 63.75,97.5 76.25,97.5 83.75,97.5 86.25,97.5 88.75,97.5 91.25,97.5 93.75,97.5 116.25,97.5 121.25,97.5 123.75,97.5 128.75,97.5 151.25,97.5 55,100 67.5,100 70,100 72.5,100 75,100 77.5,100 82.5,100 85,100 87.5,100 90,100 92.5,100 95,100 97.5,100 100,100 117.5,100 137.5,100 152.5,100 73.75,102.5 83.75,102.5 88.75,102.5 91.25,102.5 106.25,102.5 118.75,102.5 143.75,102.5 161.25,102.5 163.75,102.5 166.25,102.5 171.25,102.5 72.5,105 85,105 87.5,105 90,105 92.5,105 95,105 105,105 110,105 120,105 135,105 155,105 160,105 162.5,105 167.5,105 172.5,105 61.25,107.5 63.75,107.5 68.75,107.5 71.25,107.5 83.75,107.5 86.25,107.5 106.25,107.5 108.75,107.5 113.75,107.5 128.75,107.5 151.25,107.5 173.75,107.5 65,110 72.5,110 105,110 140,110 160,110 162.5,110 165,110 167.5,110 175,110 86.25,112.5 158.75,112.5 161.25,112.5 163.75,112.5 166.25,112.5 173.75,112.5 176.25,112.5 57.5,115 60,115 80,115 85,115 157.5,115 160,115 162.5,115 165,115 167.5,115 175,115 177.5,115 58.75,117.5 61.25,117.5 153.75,117.5 173.75,117.5 176.25,117.5 57.5,120 62.5,120 65,120 72.5,120 75,120 77.5,120 85,120 107.5,120 110,120 61.25,122.5 71.25,122.5 73.75,122.5 76.25,122.5 83.75,122.5 86.25,122.5 88.75,122.5 91.25,122.5 93.75,122.5 101.25,122.5 103.75,122.5 108.75,122.5 111.25,122.5 116.25,122.5 163.75,122.5 166.25,122.5 168.75,122.5 60,125 62.5,125 80,125 85,125 95,125 105,125 110,125 112.5,125 115,125 120,125 167.5,125 170,125 61.25,127.5 63.75,127.5 66.25,127.5 68.75,127.5 78.75,127.5 83.75,127.5 86.25,127.5 166.25,127.5 55,130 57.5,130 80,130 85,130 95,130 100,130 102.5,130 105,130 110,130 112.5,130 115,130 170,130 175,130 177.5,130 56.25,132.5 58.75,132.5 83.75,132.5 86.25,132.5 98.75,132.5 106.25,132.5 108.75,132.5 111.25,132.5 113.75,132.5 116.25,132.5 166.25,132.5 55,135 57.5,135 60,135 62.5,135 67.5,135 122.5,135 130,135 170,135 172.5,135 177.5,135 56.25,137.5 58.75,137.5 61.25,137.5 63.75,137.5 66.25,137.5 68.75,137.5 71.25,137.5 73.75,137.5 101.25,137.5 106.25,137.5 108.75,137.5 113.75,137.5 116.25,137.5 118.75,137.5 131.25,137.5 161.25,137.5 163.75,137.5 166.25,137.5 168.75,137.5 55,140 57.5,140 60,140 77.5,140 80,140 82.5,140 85,140 87.5,140 90,140 92.5,140 95,140 102.5,140 110,140 112.5,140 115,140 117.5,140 120,140 147.5,140 155,140 160,140 162.5,140 165,140 172.5,140 56.25,142.5 58.75,142.5 61.25,142.5 63.75,142.5 66.25,142.5 68.75,142.5 73.75,142.5 78.75,142.5 81.25,142.5 83.75,142.5 86.25,142.5 88.75,142.5 96.25,142.5 103.75,142.5 106.25,142.5 113.75,142.5 116.25,142.5 118.75,142.5 121.25,142.5 123.75,142.5 131.25,142.5 163.75,142.5 166.25,142.5 171.25,142.5 55,145 57.5,145 60,145 67.5,145 75,145 77.5,145 80,145 82.5,145 85,145 87.5,145 90,145 95,145 112.5,145 115,145 117.5,145 120,145 122.5,145 130,145 132.5,145 135,145 145,145 150,145 56.25,147.5 58.75,147.5 61.25,147.5 63.75,147.5 66.25,147.5 68.75,147.5 81.25,147.5 83.75,147.5 86.25,147.5 88.75,147.5 96.25,147.5 113.75,147.5 143.75,147.5 148.75,147.5 161.25,147.5 163.75,147.5 55,150 57.5,150 77.5,150 82.5,150 85,150 87.5,150 90,150 95,150 107.5,150 112.5,150 147.5,150 165,150 56.25,152.5 61.25,152.5 63.75,152.5 66.25,152.5 68.75,152.5 71.25,152.5 73.75,152.5 76.25,152.5 81.25,152.5 83.75,152.5 86.25,152.5 88.75,152.5 96.25,152.5 103.75,152.5 106.25,152.5 116.25,152.5 121.25,152.5 131.25,152.5 133.75,152.5 136.25,152.5 138.75,152.5 148.75,152.5 151.25,152.5 153.75,152.5 55,155 57.5,155 75,155 77.5,155 82.5,155 85,155 87.5,155 90,155 92.5,155 95,155 97.5,155 107.5,155 115,155 135,155 137.5,155 140,155 152.5,155 155,155 157.5,155 160,155 162.5,155 56.25,157.5 61.25,157.5 63.75,157.5 66.25,157.5 68.75,157.5 71.25,157.5 76.25,157.5 81.25,157.5 83.75,157.5 86.25,157.5 88.75,157.5 91.25,157.5 93.75,157.5 96.25,157.5 116.25,157.5 118.75,157.5 136.25,157.5 138.75,157.5 141.25,157.5 143.75,157.5 122.555,158.75 123.825,158.75 125.095,158.75 126.365,158.75 127.635,158.75 128.905,158.75 130.175,158.75 55,160 57.5,160 62.5,160 65,160 67.5,160 70,160 75,160 77.5,160 82.5,160 85,160 90,160 92.5,160 117.5,160 120,160 132.5,160 137.5,160 140,160 142.5,160 145,160 167.5,160 122.555,160.02 123.825,160.02 125.095,160.02 126.365,160.02 127.635,160.02 128.905,160.02 130.175,160.02 122.555,161.29 123.825,161.29 125.095,161.29 126.365,161.29 127.635,161.29 128.905,161.29 130.175,161.29 56.25,162.5 61.25,162.5 63.75,162.5 66.25,162.5 68.75,162.5 73.75,162.5 76.25,162.5 81.25,162.5 118.75,162.5 133.75,162.5 136.25,162.5 138.75,162.5 141.25,162.5 143.75,162.5 161.25,162.5 168.75,162.5 122.555,162.56 123.825,162.56 125.095,162.56 126.365,162.56 127.635,162.56 128.905,162.56 130.175,162.56 122.555,163.83 123.825,163.83 125.095,163.83 126.365,163.83 127.635,163.83 128.905,163.83 130.175,163.83 55,165 57.5,165 62.5,165 65,165 67.5,165 72.5,165 75,165 82.5,165 90,165 97.5,165 112.5,165 117.5,165 120,165 132.5,165 137.5,165 140,165 142.5,165 145,165 165,165 170,165 122.555,165.1 123.825,165.1 125.095,165.1 126.365,165.1 127.635,165.1 128.905,165.1 130.175,165.1 56.25,167.5 61.25,167.5 63.75,167.5 66.25,167.5 68.75,167.5 86.25,167.5 88.75,167.5 96.25,167.5 98.75,167.5 106.25,167.5 113.75,167.5 118.75,167.5 121.25,167.5 123.75,167.5 126.25,167.5 128.75,167.5 131.25,167.5 133.75,167.5 136.25,167.5 138.75,167.5 141.25,167.5 143.75,167.5 146.25,167.5 161.25,167.5 168.75,167.5 55,170 62.5,170 65,170 67.5,170 75,170 77.5,170 82.5,170 85,170 87.5,170 90,170 92.5,170 95,170 97.5,170 107.5,170 137.5,170 140,170 142.5,170 145,170 170,170 175,170 177.5,170 63.75,172.5 66.25,172.5 68.75,172.5 71.25,172.5 73.75,172.5 76.25,172.5 81.25,172.5 123.75,172.5 138.75,172.5 143.75,172.5 168.75,172.5 178.75,172.5 67.5,175 70,175 72.5,175 75,175 122.5,175 137.5,175 142.5,175 145,175 150,175 152.5,175 157.5,175 160,175 167.5,175 170,175 172.5,175 68.75,177.5 71.25,177.5 73.75,177.5 76.25,177.5 81.25,177.5 111.25,177.5 113.75,177.5 128.75,177.5 131.25,177.5 133.75,177.5 156.25,177.5 158.75,177.5 168.75,177.5 171.25,177.5 65,180 87.5,180 90,180 92.5,180 95,180 97.5,180 100,180 102.5,180 105,180 107.5,180 125,180 137.5,180 145,180 167.5,180 170,180 172.5,180 175,180 177.5,180
GOUT1: R95.1 U13.87 | length 29.4
  Top Layer w0.254: R95.1@103.66,131.445 105.565,131.445 108.895,128.115 U13.87@131.64,128.115
GOUT2: R96.1 U13.88 | length 28
  Top Layer w0.254: R96.1@103.66,127.635 103.68,127.615 U13.88@131.64,127.615
GOUT3: R114.1 U13.89 | length 29.3
  Top Layer w0.254: R114.1@103.66,123.825 105.565,123.825 108.855,127.115 U13.89@131.64,127.115
GOUT4: R115.1 U13.90 | length 32.3
  Top Layer w0.254: R115.1@103.66,120.015 105.918,120.015 106.642,120.739 106.642,123.402 109.855,126.615 U13.90@131.64,126.615
I2C1_SCL: U13.139 U18.6 | length 11.6
  Top Layer w0.254: U18.6@145.796,105.27 145.796,107.696 148.49,110.39 U13.139@148.49,115.765
I2C1_SDA: U13.140 U18.5 | length 11.3
  Top Layer w0.254: U18.5@147.066,105.27 147.066,107.581 148.99,109.505 U13.140@148.99,115.765
I5V: C1.2 C7.2 C8.2 C11.2 C14.2 C29.1 C31.1 C33.1 C35.2 C37.2 C62.2 LED7.2 LED8.2 LED9.2 LED10.2 Q31.2 R20.2 R22.2 R24.2 R29.2 R31.2 R33.2 R44.2 R48.2 R73.2 R103.2 R110.2 R111.2 R112.2 R113.2 R116.2 R117.2 R118.2 R119.2 R123.2 R125.2 R127.2 R129.2 R156.2 U3.8 U4.8 U6.8 U8.8 U9.8 U12.4 U16.1 U17.4 U21.4 U25.8 U34.8 U35.3 U40.4 U42.8 U43.8 U45.3 | length 584.8
  Top Layer w0.384: U9.8@185.28,152.4 186.69,152.4 v1(187.325,153.035) C14.2@188.69,153.035 188.75,153.035 R29.2@191.29,150.495 R31.2@191.29,147.955 R33.2@191.29,145.415 ; U8.8@185.28,158.75 186.69,158.75 v1(187.325,158.115) C11.2@188.69,158.115 190.595,160.02 R22.2@191.29,160.02 192.278,160.02 192.659,159.639 192.659,156.944 R24.2@191.29,155.575 ; U6.8@185.28,165.1 v1(187.325,165.1) C8.2@188.69,165.1 188.75,165.1 R20.2@191.29,162.56 ; U4.8@185.28,171.45 186.055,171.45 v1(187.325,172.72) C7.2@188.69,172.72 ; U3.8@185.28,177.8 185.28,178.93 v1(186.69,180.34) C1.2@188.69,180.34 ; U21.4@186.69,104.775 191.008,104.775 191.925,105.692 ; v1(191.897,124.333) 191.897,125.702 R48.2@191.925,125.73 ; v1(191.897,132.715) 191.925,132.687 R44.2@191.925,131.445
  Top Layer w0.5: v1(97.79,50.165) LED7.2@97.79,53.86
  Top Layer w0.524: LED8.2@118.745,53.86 120.13,53.86 v1(120.65,53.34) ; R110.2@119.379,79.22 v1(119.38,77.47) 123.344,77.47 R111.2@125.094,79.22 ; v1(130.81,77.47) R112.2@130.809,79.22 ; v1(132.08,52.705) 133.985,50.8 138.176,50.8 139.7,52.324 LED9.2@139.7,53.225 ; R113.2@136.524,79.22 140.18,79.22 ; v1(136.525,77.47) R113.2@136.524,79.22 ; U35.3@140.97,81.521 140.97,80.01 140.18,79.22 ; U34.8@143.51,85.865 145.402,85.865 145.637,85.63 C29.1@145.637,84.328 C31.1@145.637,81.026 145.637,79.724 145.133,79.22 140.18,79.22 ; v1(153.035,77.47) 153.67,78.105 R116.2@153.67,79.22 R117.2@156.845,79.22 R118.2@162.56,79.22 R119.2@168.275,79.22 169.771,79.22 171.196,80.645 176.53,80.645 ; v1(160.02,51.435) LED10.2@160.02,53.225 ; 183.515,71.12 R123.2@183.515,74.775 ; 188.595,71.12 R125.2@188.595,74.775 ; R103.2@191.925,96.52 199.263,96.52 v1(201.93,99.187) ; 193.675,71.12 R127.2@193.675,74.775 ; U42.8@203.708,83.947 203.708,82.677 204.47,81.915 C35.2@204.565,81.915 204.565,80.296 205.213,79.648 205.213,74.943 C37.2@204.565,74.295 203.835,75.025 U43.8@203.835,76.327 ; U25.8@209.41,95.25 C33.1@211.995,95.25 ; C33.1@212.09,95.155 v1(212.09,96.393)
  Top Layer w1: U40.4@176.53,84.455 176.53,80.645 179.07,78.105 179.07,72.644 180.594,71.12 183.515,71.12 188.595,71.12 193.675,71.12 197.866,71.12 198.755,72.009 ; v1(190.5,111.506) v1(190.5,110.49) 191.925,109.065 R73.2@191.925,107.95 191.925,105.692 195.001,102.616 200.279,102.616 201.93,100.965 v1(201.93,100.33) v1(201.93,99.187) ; R129.2@198.755,74.775 198.755,72.009 ; C37.2@204.565,74.295 204.47,74.2 v1(204.47,72.39) 204.089,72.009 198.755,72.009
  Bottom Layer w0.5: 89.281,61.722 89.281,58.674 v1(97.79,50.165) ; v1(120.65,53.34) 111.76,53.34 109.855,55.245 104.775,55.245 102.235,52.705 100.33,52.705 v1(97.79,50.165) ; Q31.2@145.345,31.435 144.018,31.435 ; R156.2@150.65,33.655 149.38,34.925 144.78,34.925 144.145,34.29 144.145,31.562 144.018,31.435 ; v1(97.79,50.165) 103.505,44.45 103.505,38.735 110.805,31.435 144.018,31.435
  Bottom Layer w0.524: U45.3@83.82,64.77 83.915,64.675 C62.2@86.36,64.675 ; 89.281,61.722 89.281,63.373 87.979,64.675 C62.2@86.36,64.675 ; v1(120.65,53.34) 122.301,53.34 124.841,55.88 128.905,55.88 v1(132.08,52.705) ; v1(160.02,51.435) 153.289,51.435 151.765,52.959 151.765,73.279 153.035,74.549 v1(153.035,77.47) v1(136.525,77.47) v1(130.81,77.47) v1(119.38,77.47) 91.948,77.47 86.36,71.882 C62.2@86.36,64.675 ; 204.47,96.647 204.724,96.393 v1(212.09,96.393)
  Bottom Layer w1: v1(186.69,180.34) 187.325,179.705 v1(187.325,172.72) v1(187.325,165.1) v1(187.325,158.115) v1(187.325,153.035) 186.69,152.4 U12.4@186.69,139.7 188.595,139.7 190.246,138.049 190.246,134.366 v1(191.897,132.715) v1(191.897,124.333) 191.897,122.809 188.468,119.38 U16.1@186.69,119.38 U17.4@186.69,116.205 187.452,116.205 190.5,113.157 v1(190.5,111.506) v1(190.5,110.49) ; v1(201.93,100.33) v1(201.93,99.187) 204.47,96.647 v1(204.47,72.39)
ID0: 
ID1: 